# KiCad board SP110Duo.kicad_pcb (continued)
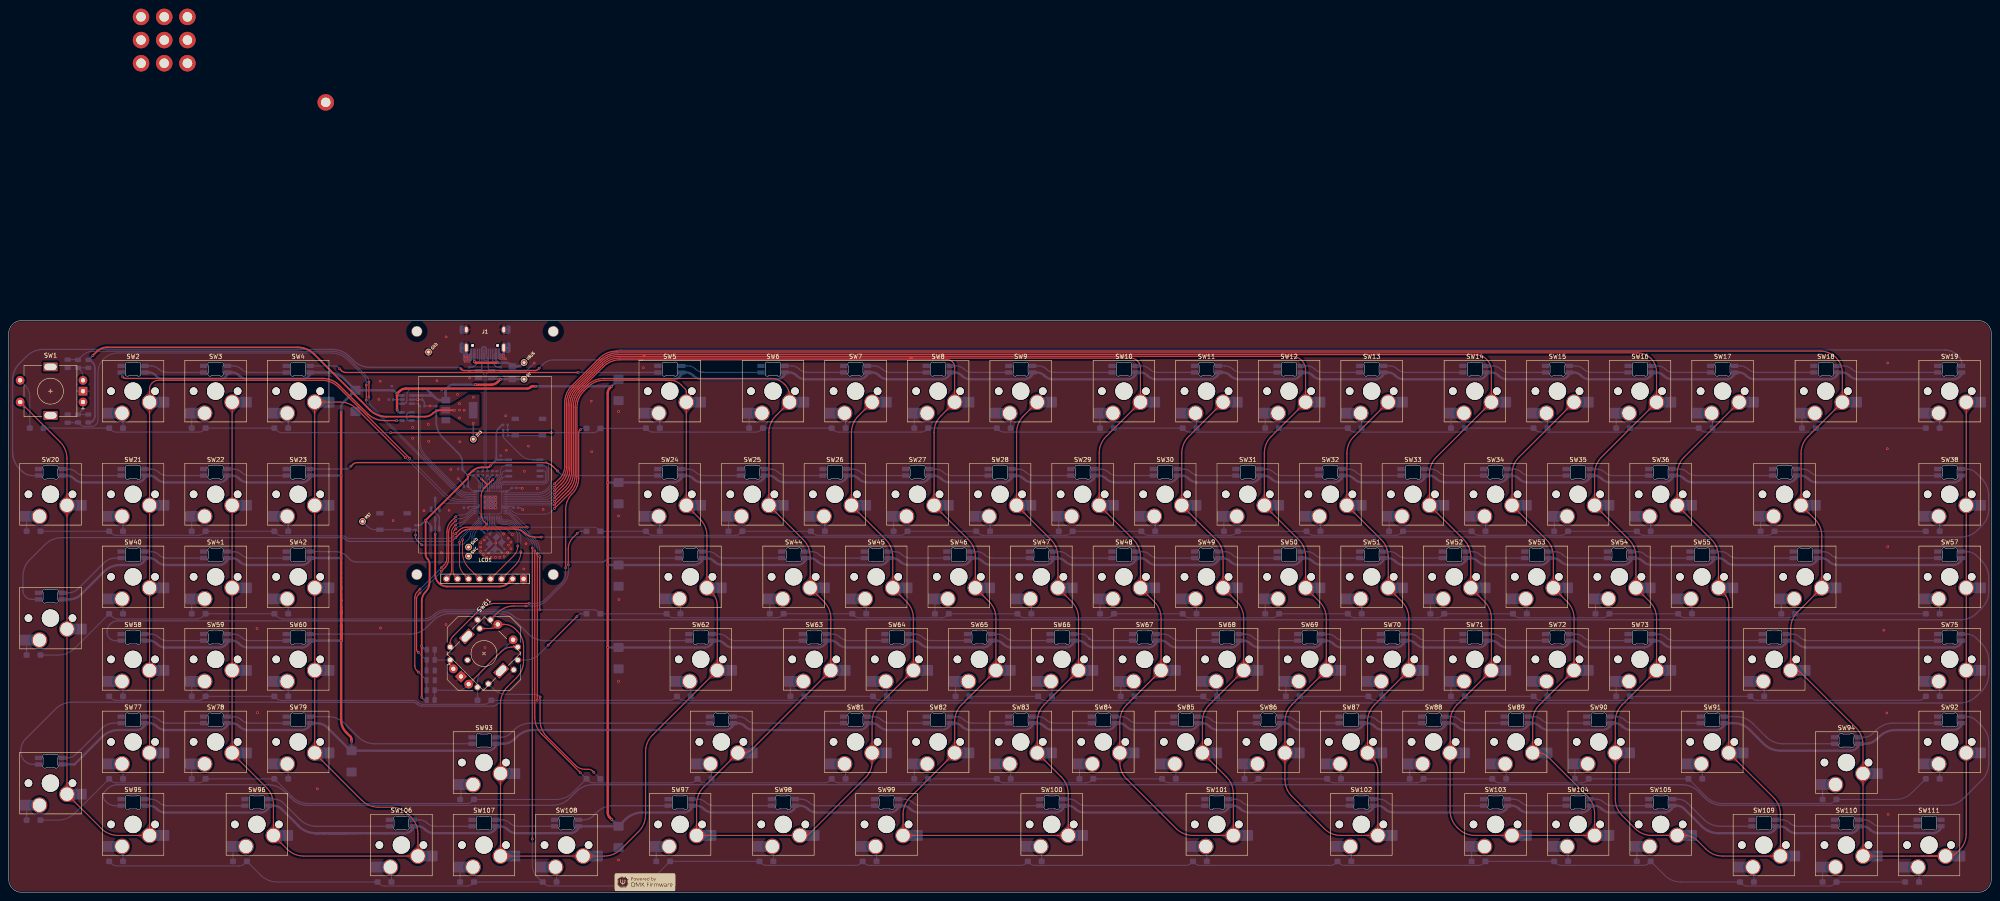
[diagram p0: board, top side]
## Routing (per net, layer and track width the routed paths; a pad name or vN(x,y) marks a point on that pad's centre or on a via; arc(x,y) is an arc through that point) (continued)
arc(264.88,58.03) 264.81,57.86 arc(264.76,57.63) 264.63,57.43 264.26,57.06 arc(263.65,56.66) 262.94,56.51 250.44,56.51 arc(249.4,56.72) 248.52,57.31 248.42,57.41 arc(247.65,57.93) 246.74,58.11 246.01,58.11 arc(245.83,58.03) 245.76,57.86 arc(245.71,57.63) 245.58,57.43 245.21,57.06 arc(244.6,56.66) 243.89,56.51 231.39,56.51 arc(230.35,56.72) 229.47,57.31 229.37,57.41 arc(228.6,57.93) 227.69,58.11 226.96,58.11 arc(226.78,58.03) 226.71,57.86 arc(226.66,57.63) 226.53,57.43 226.16,57.06 arc(225.55,56.66) 224.84,56.51 212.34,56.51 arc(211.3,56.72) 210.42,57.31 210.32,57.41 arc(209.55,57.93) 208.64,58.11 207.91,58.11 arc(207.73,58.03) 207.66,57.86 arc(207.61,57.63) 207.48,57.43 207.11,57.06 arc(206.5,56.66) 205.79,56.51 193.29,56.51 arc(192.25,56.72) 191.37,57.31 191.27,57.41 arc(190.5,57.93) 189.59,58.11 188.86,58.11 arc(188.68,58.03) 188.61,57.86 arc(188.56,57.63) 188.43,57.43 188.06,57.06 arc(187.45,56.66) 186.74,56.51 167.1,56.51 arc(166.06,56.72) 165.18,57.31 165.08,57.41 arc(164.31,57.93) 163.4,58.11 162.66,58.11 arc(162.49,58.03) 162.41,57.86 arc(162.37,57.63) 162.24,57.43 161.87,57.06 arc(161.26,56.66) 160.55,56.51 140.71,56.51 arc(140.7,56.51) 140.69,56.51 arc(140.69,56.5) 140.68,56.5 v1(138.2,56.5) ; 69.54,120.01 69.54,119.77 arc(69.5,119.54) 69.37,119.34 68.99,118.97 arc(68.39,118.56) 67.67,118.42 55.19,118.42 arc(54.15,118.63) 53.27,119.22 53.16,119.32 arc(52.39,119.84) 51.48,120.02 50.74,120.02 arc(50.57,119.95) 50.49,119.77 arc(50.45,119.54) 50.32,119.34 49.94,118.97 arc(49.34,118.56) 48.62,118.42 35.95,118.42 arc(34.9,118.63) 34.02,119.22 33.85,119.39 arc(33.15,119.86) 32.33,120.02 31.44,120.02 ; 69.54,120.01 arc(69.54,120.01) 69.55,120.01 ; 69.55,120.01 69.55,120.01
QSPI_SCLK: length 5.7
  Bottom w0.2: U6.6 114.55,97.31 arc(114.26,97.25) 114.02,97.09 arc(113.86,96.85) 113.8,96.56 113.8,96.4 arc(113.71,95.96) 113.46,95.59 112.37,94.5 arc(112.17,94.19) 112.1,93.84 U4.52
QSPI_SD0: length 4.3
  Bottom w0.2: U6.5 114.88,96.04 arc(114.42,95.95) 114.03,95.69 112.75,94.41 arc(112.57,94.13) 112.5,93.81 U4.53
QSPI_SD1: length 16.5
  Bottom w0.2: U6.2 123.24,98.58 arc(123.61,98.51) 123.92,98.3 arc(124.13,97.99) 124.2,97.62 124.2,95.49 arc(124.13,95.14) 123.93,94.84 arc(123.63,94.64) 123.28,94.57 114.22,94.57 arc(113.87,94.5) 113.57,94.3 113.51,94.24 arc(113.35,94.01) 113.3,93.74 U4.55
QSPI_SD2: length 15.1
  Bottom w0.2: U6.3 123.42,97.31 arc(123.59,97.28) 123.74,97.18 arc(123.84,97.03) 123.87,96.86 123.87,95.49 arc(123.83,95.26) 123.7,95.07 arc(123.51,94.94) 123.28,94.9 114.27,94.9 arc(113.75,94.8) 113.3,94.5 113.13,94.33 arc(112.96,94.07) 112.9,93.77 U4.54
QSPI_SD3: length 7.1
  Bottom w0.2: U6.7 114.73,98.58 arc(114.25,98.48) 113.84,98.21 arc(113.57,97.81) 113.47,97.33 113.47,96.95 arc(113.31,96.13) 112.84,95.43 111.99,94.58 arc(111.78,94.25) 111.7,93.87 U4.51
QSPI_SS: length 29.9
  Bottom w0.2: 120.92,99.85 123.11,99.85 arc(123.61,99.75) 124.03,99.47 124.1,99.4 arc(124.43,98.9) 124.55,98.31 124.55,95.49 arc(124.45,95.01) 124.18,94.59 arc(123.77,94.32) 123.28,94.22 114.18,94.22 arc(114,94.19) 113.84,94.08 arc(113.74,93.93) 113.7,93.74 U4.56
  Bottom w0.25: 120.92,99.85 120.91,99.85 arc(119.38,100.16) 118.07,101.03 114.27,104.83 arc(114.14,105.02) 114.1,105.25 R12.2 R11.1
RESET: length 34.5
  Top w0.2: v1(95.3,80.2) 94.17,81.33 arc(93.94,81.67) 93.86,82.07 v1(93.86,82.5)
  Bottom w0.2: U4.26 109.3,86.29 arc(109.25,86.03) 109.1,85.8 106.94,83.65 arc(106.62,83.16) 106.5,82.58 arc(106.38,82) 106.06,81.51 105.09,80.54 arc(104.71,80.29) 104.26,80.2 v1(95.3,80.2) ; v1(93.86,82.5) R10.1
  Bottom w0.25: R10.1 RST1.1 RST1.1 84.59,83.7 arc(83.63,83.89) 82.81,84.44 TP5.1
RKJ-A: length 17.6
  Bottom w0.25: 108.16,44.01 S61.1 108.16,48.71 arc(108.41,49.98) 109.13,51.07 SW61.S1
RKJ-B: length 20
  Top w0.25: v1(131.1,63.7) v1(124.45,57.05)
  Bottom w0.25: D112.1 132.13,64.3 arc(131.73,64.22) 131.4,64 v1(131.1,63.7) ; v1(124.45,57.05) 122.29,54.89 arc(120.89,53.95) 119.24,53.62 S61.4
RKJ-C: length 34.8
  Top w0.25: v1(129.1,75.6) 129.1,79.32 arc(129.37,80.69) 130.15,81.85 v1(131.2,82.9) ; v1(119.4,66.1) 116.58,66.1 arc(114.5,65.69) 112.74,64.51 S61.6
  Bottom w0.25: v1(129.1,75.6) 129.1,73.97 arc(128.8,72.46) 127.95,71.18 124.09,67.33 arc(122.73,66.42) 121.13,66.1 v1(119.4,66.1) ; D113.1 131.97,83.35 arc(131.68,83.29) 131.43,83.13 v1(131.2,82.9)
RKJ-D: length 70.6
  Top w0.25: v1(128.5,74.9) 128.5,88.38 arc(128.89,90.34) 130,92 arc(131.11,93.66) 131.5,95.62 131.5,106.12 arc(131.55,106.38) 131.7,106.6 v1(131.9,106.8) ; S61.9 101.86,57.54 arc(102.02,58.39) 102.5,59.1 108.51,65.11 arc(110.27,66.29) 112.35,66.7 120.04,66.7 arc(120.06,66.7) 120.07,66.69 v1(120.09,66.67)
  Bottom w0.25: v1(131.9,106.8) 132.05,106.95 arc(132.22,107.06) 132.41,107.1 D114.1 ; v1(128.5,74.9) 128.5,73.6 arc(128.26,72.4) 127.58,71.38 123.86,67.66 arc(122.77,66.93) 121.48,66.67 v1(120.09,66.67)
RKJ-PUSH: length 38.8
  Top w0.25: v1(122.6,45.1) 122.6,39.72 arc(123.01,37.64) 124.19,35.87 130.73,29.33 arc(131.77,28.64) 132.98,28.4 133.81,28.4 arc(134.26,28.31) 134.65,28.05 v1(135,27.7)
  Bottom w0.25: v1(135,27.7) 136.5,26.2 arc(136.5,26.2) D115.2 ; v1(122.6,45.1) 122.3,45.4 arc(121.97,45.62) 121.58,45.7 114.83,45.7 arc(113.23,46.02) 111.88,46.92 S61.2
ROT1_A: length 5.7
  Bottom w0.25: SW1.A 17.14,112.25 arc(16.99,111.5) 16.57,110.87 R13.2 R17.1
ROT1_B: length 5.7
  Bottom w0.25: R18.1 R14.1 16.57,120.51 arc(16.99,119.88) 17.14,119.13 SW1.B
ROT2_A: length 8.3
  Top w0.2: 102.58,51.68 102.51,51.75
  Top w0.25: SW61.A 102.22,51.95 arc(101.95,52.36) 101.86,52.83 S61.10
  Bottom w0.25: R19.1 98.29,53.68 arc(98.29,53.66) 98.3,53.64 arc(98.32,53.63) 98.34,53.62 S61.10
ROT2_B: length 25.3
  Top w0.25: SW61.B 113.71,55.65 arc(114.8,56.37) 116.07,56.62 S61.5
  Bottom w0.25: 98.27,44.4 98.27,46.66 103.74,46.66 arc(104.65,46.84) 105.42,47.36 SW61.B
ROW0: length 462.2
  Top w0.25: v1(125.2,106.1) v1(88.1,106.1)
  Bottom w0.2: U4.2 121.99,92.21 arc(123.22,92.46) 124.26,93.15 arc(124.96,94.2) 125.2,95.43 v1(125.2,106.1)
  Bottom w0.25: D19.1 417.24,107.16 arc(416.94,107.1) 416.68,106.93 416.45,106.7 arc(415.94,106.36) 415.33,106.24 391.48,106.24 arc(390.87,106.36) 390.36,106.7 arc(389.85,107.04) 389.24,107.16 374.38,107.16 arc(374.07,107.1) 373.82,106.93 373.59,106.7 arc(373.07,106.36) 372.47,106.24 353.38,106.24 arc(352.77,106.36) 352.26,106.7 arc(351.75,107.04) 351.14,107.16 336.28,107.16 arc(335.97,107.1) 335.72,106.93 335.49,106.7 arc(334.97,106.36) 334.37,106.24 310.51,106.24 arc(309.91,106.36) 309.4,106.7 arc(308.89,107.04) 308.28,107.16 293.41,107.16 arc(293.11,107.1) 292.85,106.93 292.62,106.7 arc(292.11,106.36) 291.51,106.24 272.41,106.24 arc(271.81,106.36) 271.3,106.7 arc(270.79,107.04) 270.18,107.16 255.31,107.16 arc(255.01,107.1) 254.75,106.93 254.52,106.7 arc(254.01,106.36) 253.41,106.24 229.55,106.24 arc(228.95,106.36) 228.44,106.7 arc(227.92,107.04) 227.32,107.16 212.45,107.16 arc(212.15,107.1) 211.89,106.93 211.66,106.7 arc(211.15,106.36) 210.54,106.24 191.45,106.24 arc(190.85,106.36) 190.34,106.7 arc(189.82,107.04) 189.22,107.16 174.35,107.16 arc(174.05,107.1) 173.79,106.93 173.56,106.7 arc(173.05,106.36) 172.44,106.24 148.59,106.24 arc(147.99,106.36) 147.47,106.7 147.04,107.13 arc(147.01,107.15) 146.98,107.13 arc(146.94,107.11) 146.9,107.1 137.21,107.1 arc(136.55,106.97) 136,106.6 arc(135.45,106.23) 134.79,106.1 v1(125.2,106.1) ; v1(88.1,106.1) 63.1,106.1 arc(62.41,106.24) 61.82,106.63 arc(61.23,107.03) 60.53,107.16 45.76,107.16 arc(45.46,107.1) 45.2,106.93 44.97,106.7 arc(44.46,106.36) 43.86,106.24 24.76,106.24 arc(24.16,106.36) 23.65,106.7 arc(23.14,107.04) 22.53,107.16 D1.2
ROW1: length 447.4
  Top w0.25: v1(103.15,82.8) 103.15,82.81 arc(103.15,82.82) 103.16,82.83 103.89,83.56 arc(104.7,84.11) 105.67,84.3 v1(119.65,84.3)
  Bottom w0.2: U4.12 114.95,88.21 arc(115.33,88.14) 115.65,87.92 116.44,87.13 arc(116.58,87.03) 116.76,87 arc(116.94,86.97) 117.08,86.87 v1(119.65,84.3) 134.88,84.3 arc(135.5,84.18) 136.03,83.83 arc(136.55,83.47) 137.17,83.35
  Bottom w0.25: 137.17,83.35 146.36,83.35 arc(146.96,83.23) 147.47,82.89 arc(147.99,82.55) 148.59,82.43 167.68,82.43 arc(168.29,82.55) 168.8,82.89 169.03,83.12 arc(169.29,83.29) 169.59,83.35 184.46,83.35 arc(185.06,83.23) 185.57,82.89 arc(186.09,82.55) 186.69,82.43 205.78,82.43 arc(206.39,82.55) 206.9,82.89 207.13,83.12 arc(207.39,83.29) 207.69,83.35 222.56,83.35 arc(223.16,83.23) 223.67,82.89 arc(224.19,82.55) 224.79,82.43 243.88,82.43 arc(244.49,82.55) 245,82.89 245.23,83.12 arc(245.49,83.29) 245.79,83.35 260.66,83.35 arc(261.26,83.23) 261.77,82.89 arc(262.29,82.55) 262.89,82.43 281.98,82.43 arc(282.59,82.55) 283.1,82.89 arc(283.61,83.23) 284.21,83.35 299.08,83.35 arc(299.39,83.29) 299.64,83.12 299.87,82.89 arc(300.39,82.55) 300.99,82.43 320.08,82.43 arc(320.69,82.55) 321.2,82.89 arc(321.71,83.23) 322.31,83.35 337.18,83.35 arc(337.49,83.29) 337.74,83.12 337.97,82.89 arc(338.49,82.55) 339.09,82.43 358.18,82.43 arc(358.79,82.55) 359.3,82.89 359.53,83.12 arc(359.79,83.29) 360.09,83.35 375.28,83.35 arc(375.59,83.29) 375.84,83.12 376.07,82.89 arc(376.59,82.55) 377.19,82.43 405.81,82.43 arc(406.41,82.55) 406.92,82.89 arc(407.44,83.23) 408.04,83.35 D38.1 ; D20.2 22.53,83.35 arc(23.14,83.23) 23.65,82.89 arc(24.16,82.55) 24.76,82.43 43.86,82.43 arc(44.46,82.55) 44.97,82.89 45.2,83.12 arc(45.46,83.29) 45.76,83.35 60.54,83.35 arc(61.23,83.21) 61.81,82.83 arc(62.39,82.44) 63.08,82.3 77.08,82.3 arc(77.47,82.22) 77.8,82 arc(78.13,81.78) 78.53,81.7 101.27,81.7 arc(101.99,81.84) 102.6,82.25 v1(103.15,82.8)
ROW2: length 470.3
  Top w0.25: v1(122.52,65.23) v1(122.52,77.5)
  Bottom w0.2: v1(122.52,77.5) 122.52,79.01 arc(122.25,80.41) 121.45,81.6 115.48,87.57 arc(115.21,87.75) 114.89,87.81 U4.13
  Bottom w0.25: D39.2 11.41,54.78 arc(13.49,55.19) 15.25,56.37 22.89,64 arc(23.19,64.13) 23.49,64 23.79,63.7 arc(24.45,63.26) 25.24,63.1 43.38,63.1 arc(44.17,63.26) 44.83,63.7 arc(45.5,64.15) 46.29,64.3 60.86,64.3 arc(61.25,64.22) 61.59,64 61.89,63.7 arc(62.55,63.26) 63.34,63.1 95.61,63.1 arc(96.98,63.37) 98.15,64.15 arc(99.31,64.93) 100.68,65.2 122.48,65.2 arc(122.5,65.2) 122.51,65.21 v1(122.52,65.23) 134.92,65.23 arc(135.53,65.11) 136.04,64.76 136.27,64.53 arc(136.52,64.36) 136.83,64.3 151.45,64.3 arc(151.75,64.24) 152,64.07 152.24,63.84 arc(152.75,63.5) 153.35,63.38 177.21,63.38 arc(177.81,63.5) 178.32,63.84 178.55,64.07 arc(178.81,64.24) 179.11,64.3 193.98,64.3 arc(194.59,64.18) 195.1,63.84 arc(195.61,63.5) 196.21,63.38 215.31,63.38 arc(215.91,63.5) 216.42,63.84 216.65,64.07 arc(216.91,64.24) 217.21,64.3 232.41,64.3 arc(232.71,64.24) 232.97,64.07 233.2,63.84 arc(233.71,63.5) 234.31,63.38 253.41,63.38 arc(254.01,63.5) 254.52,63.84 arc(255.04,64.18) 255.64,64.3 270.51,64.3 arc(270.81,64.24) 271.07,64.07 271.3,63.84 arc(271.81,63.5) 272.41,63.38 291.51,63.38 arc(292.11,63.5) 292.62,63.84 arc(293.14,64.18) 293.74,64.3 308.61,64.3 arc(308.91,64.24) 309.17,64.07 309.4,63.84 arc(309.91,63.5) 310.51,63.38 329.61,63.38 arc(330.21,63.5) 330.72,63.84 arc(331.24,64.18) 331.84,64.3 346.71,64.3 arc(347.01,64.24) 347.27,64.07 347.5,63.84 arc(348.01,63.5) 348.61,63.38 367.71,63.38 arc(368.31,63.5) 368.82,63.84 369.05,64.07 arc(369.31,64.24) 369.61,64.3 384.48,64.3 arc(385.09,64.18) 385.6,63.84 arc(386.11,63.5) 386.71,63.38 410.57,63.38 arc(411.17,63.5) 411.69,63.84 arc(412.2,64.18) 412.8,64.3 D57.1
